# Altium PCB DB10005_BMS.PcbDoc (part 2 of 2)
Units mm, origin at the board's own origin, x right, y up, seen from the top; angles counter-clockwise.
Board outline 100 x 75 mm, 4 copper layers (L1, L2, L3, L4), stack 1.446 mm thick; 270 components, 190 nets, 878 pads, 0 vias.
Unrouted connection lines stored in the file: 462.
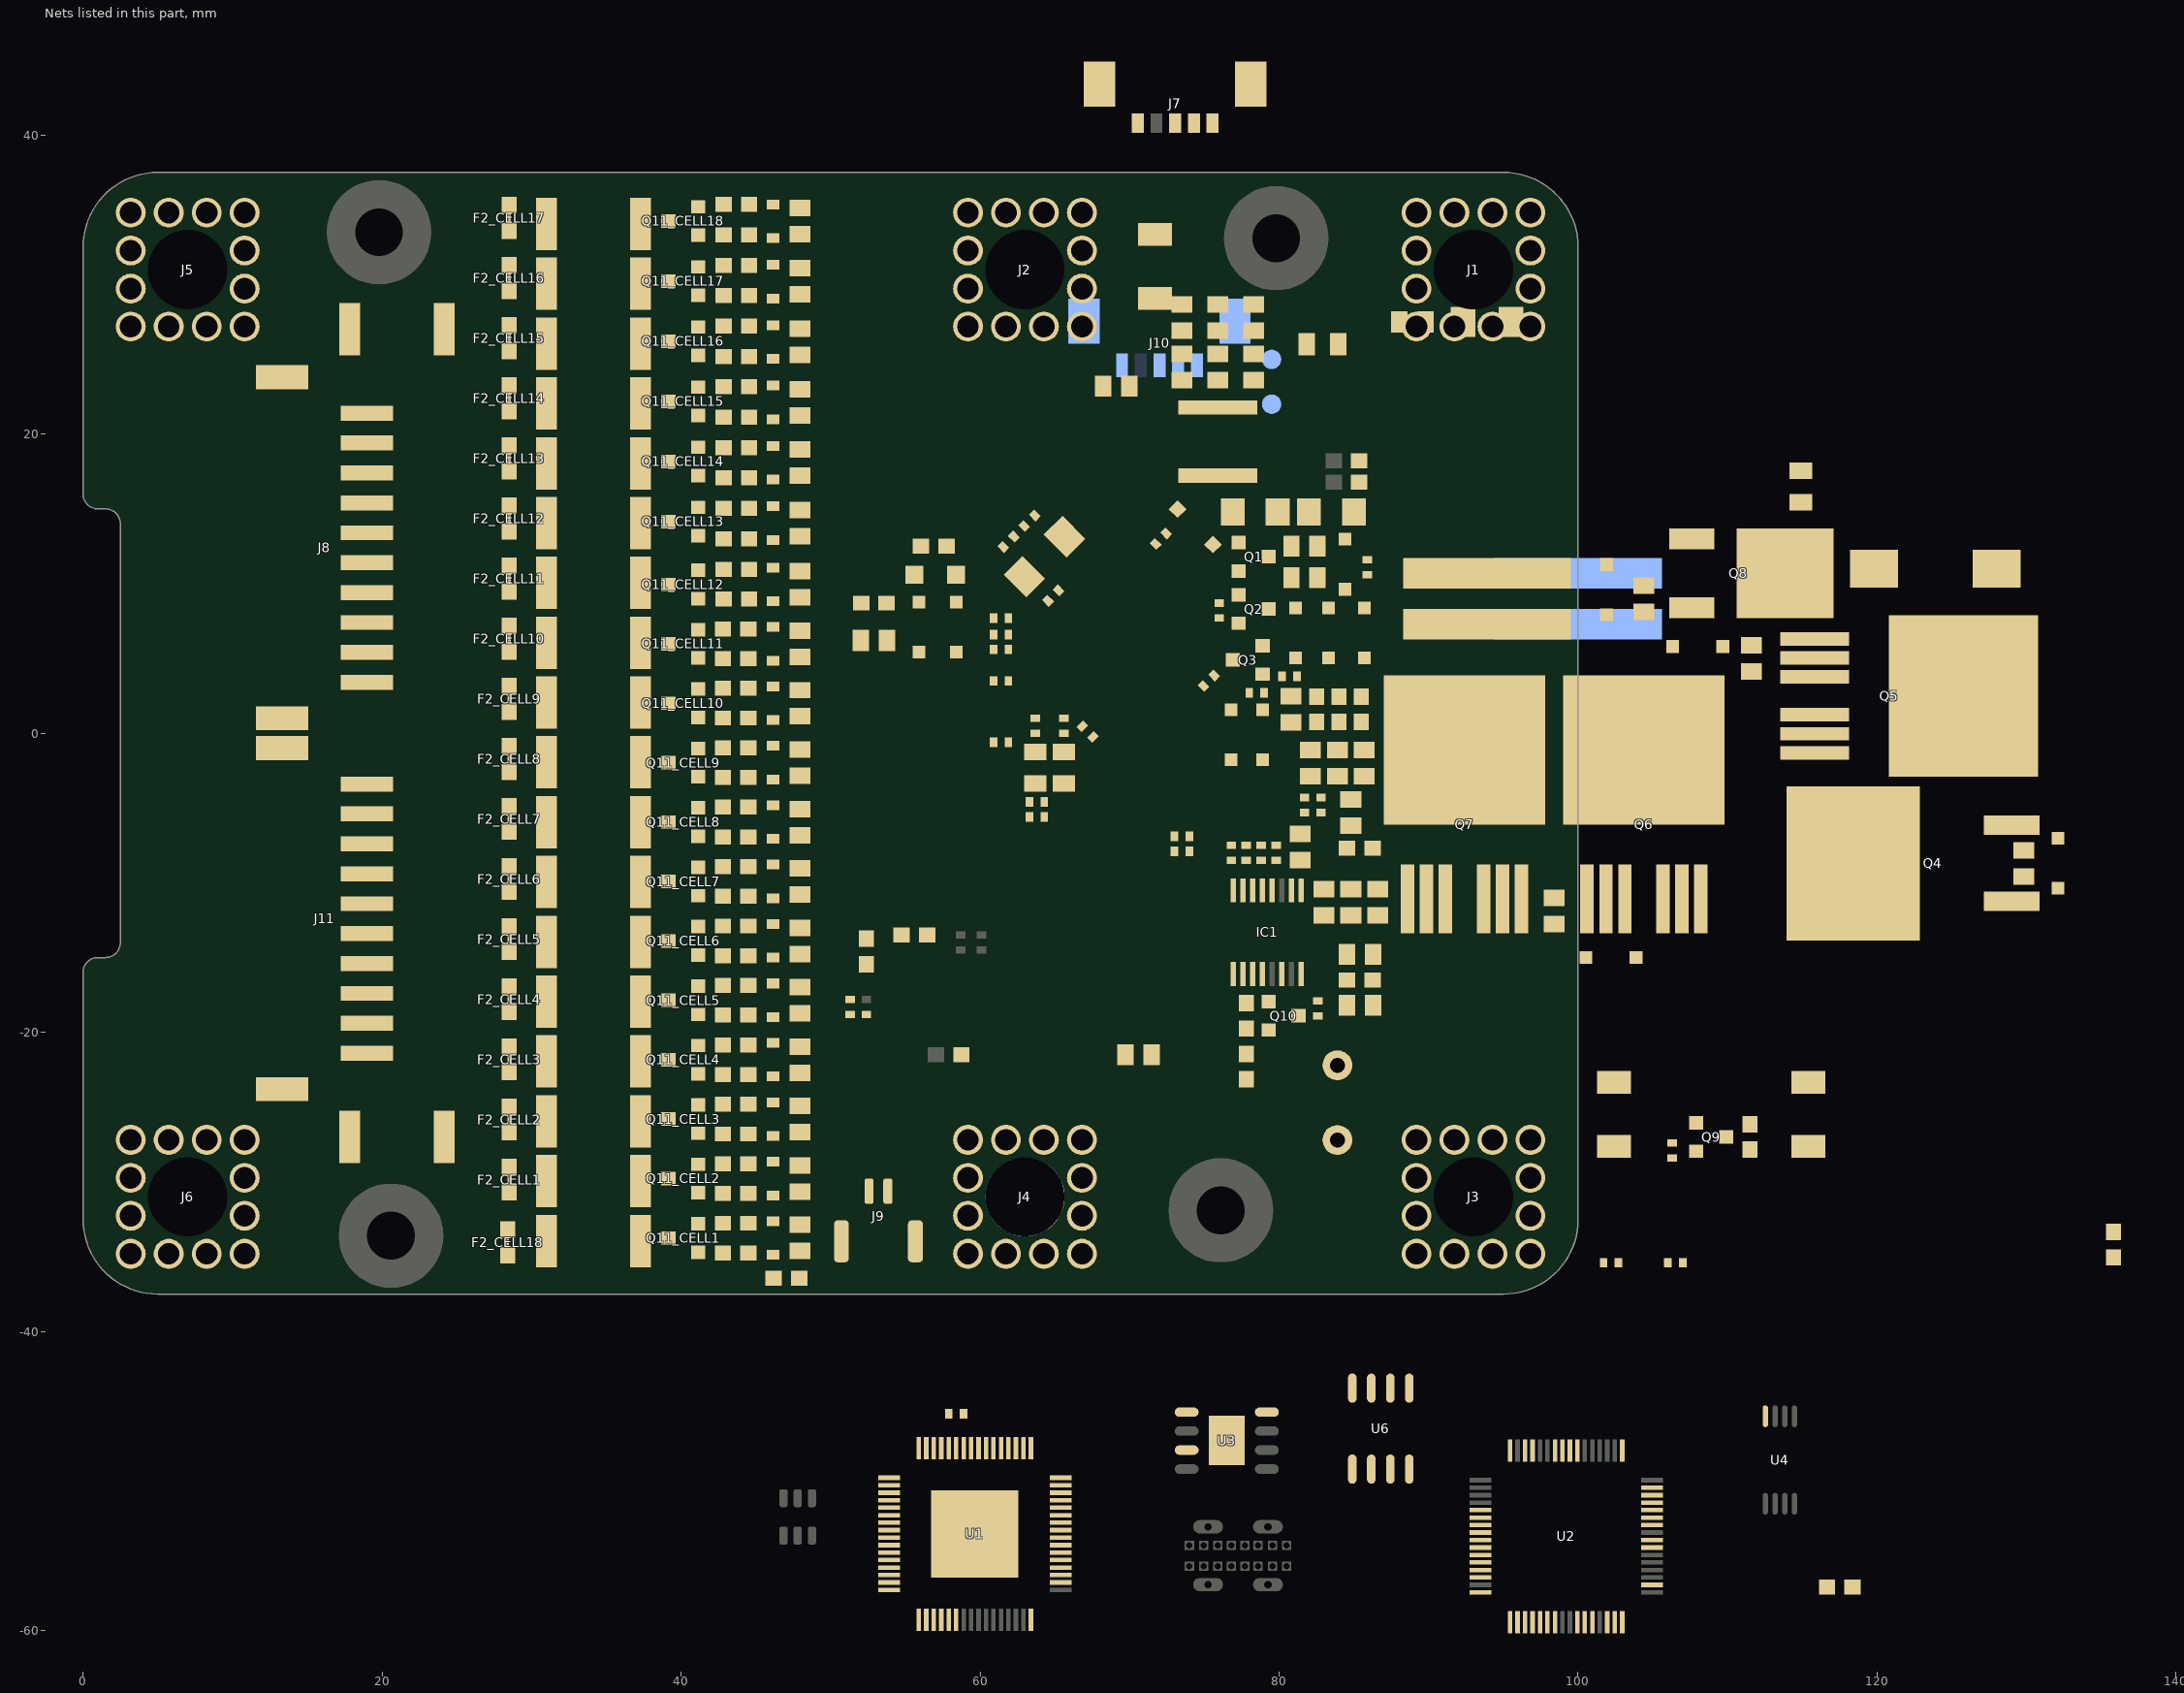
[diagram p4: the nets of this part, all layers, seen from the top]

## Part data (continued)
C17 C23: library part 2.2uF/0805/CER/50V, "Capacitor, 2.2uF, 50V,  X7R", Capacitance Tolerance="± 10%", Capacitor Case Style=0805, Dielectric Characteristic=X5R, Temperature Range="-55°C to +125°C", Voltage Rating=50V, Brand=MURATA, Brand Number=GRM219R61H225KE15D, Capacitance=2.2uF, Order Code Supplier=2611933, Price=0,113, Supplier=Farnell
C24 C25 C26: library part 10nF/0805/CER/100V, "Capacitor, 10nF, 100V, X7R", Capacitance Tolerance="± 10%", Capacitor Case Style=0805, Dielectric Characteristic=X7R, Temperature Range="-55°C to +125°C", Voltage Rating=100V, Brand=AVX, Brand Number=08051C103KAZ2A, Capacitance=10nF, Order Code Supplier=1301898, Price=0,131, Supplier=Farnell
C31 C32 C34: library part 2.2uF/0603/CER/16V, "Capacitor, 2.2uF, 16V, X5R", Capacitance Tolerance="+/- 10%", Capacitor Case Style=0603, Dielectric Characteristic=X5R, Temperature Range="-55°C to 85°C", Voltage Rating=16V, Brand=MURATA, Brand Number=GRM188R61C225KE15D, Capacitance=2.2uF, Order Code Supplier=1735526, Price=0,077, Supplier=Farnell
D1: library part BZT52H-C62,115, "Diode Zener, Vz: 62V, If: 0.25A, Vf: 0.9V", Case Style=SOD-123F, Forward Current=0.25A, Forward Voltage=0.9V, Temperature Range="-65°C to +150°C", Zener Voltage=62V, Brand=NXP, Brand Number=BZT52H-C62,115, Order Code Supplier=1757813RL, Price=0,053, Supplier=Farnell
D2 D3 D5 D6 D7 D8 D9: library part MMSD4148T1G, "Diode, Vrrm: 100V, If: 0.15A, Vf: 1V", Case Style=SOD-123, Forward Current=0.2A, Forward Voltage=1V, Temperature Range="-65°C to +150°C", Brand="ON SEMICONDUCTOR", Brand Number=MMSD4148T1G, Order Code Supplier=9556079, Price=0,19, Supplier=Farnell, Vrrm=100V
D4 D10 D12 D15 D16 D17: "Diode Zener, Vz: 16V, If: 0.1A, Vf: 0.9V", Case Style=SOD-123, Forward Current=0.1A, Forward Voltage=0.9V, Temperature Range="-65°C to +150°C", Zener Voltage=16V, Brand=Diodes, Brand Number=BZT52C16, Order Code Supplier=1902431, Price=0,087, Supplier=Farnell
D11 D13 D14: "Diode TVS, Vrwm: 70V, Vbr: 81.9V, Vc: 113V, Ippm: 27A", Breakdown Voltage=81.9V, Case Style=SMB, Clamping Voltage=113V, Temperature Range="-55°C to +150°C", Brand=STMICROELECTRONICS, Brand Number=SMBJ70A-TR, Ippm=27A, Order Code Supplier=9886389, Price=0,33, Supplier=Farnell, Vrwm=70V
D18 D19: library part KP-2012SGC, "Led, Green, Li:12mcd, Vf:2.2V, If:0.02A", Case Style=0805, Forward Current=0.02A, Forward Voltage=2.2V, Temperature Range="-30°C to +85°C", Brand=KingBright, Brand Number=KP-2012SGC, Luminous Intensity=12mcd, Order Code Supplier=1318243, Price=0,06, Supplier=Farnell
D20_CELL1 D20_CELL2 D20_CELL3 D20_CELL4 D20_CELL5 D20_CELL6 D20_CELL7 D20_CELL8 D20_CELL9 D20_CELL10 D20_CELL11 D20_CELL12 D20_CELL13 D20_CELL14 D20_CELL15 D20_CELL16 D20_CELL17 D20_CELL18: "Diode, Vrrm: 7.5V, If: 0.2A, Vf: 0.9V", Case Style=SOD-323, Forward Current=0.2A, Forward Voltage=0.9V, Temperature Range="-65°C to +150°C", Zener Voltage=7.5V, Brand=NXP, Brand Number=PDZ7.5B,115, Order Code Supplier=2319197, Price=0,263, Supplier=Farnell
F1: library part 0466.200NR, "Fuse, Slow Blow, 200 mA, 125 VAC, 125 VDC", Brand=LITTELFUSE, Brand Number=0466.200NR, Order Code Supplier=1596522, Prijs=0,347, Supplier=Farnell
F2_CELL1 F2_CELL2 F2_CELL3 F2_CELL4 F2_CELL5 F2_CELL6 F2_CELL7 F2_CELL8 F2_CELL9 F2_CELL10 F2_CELL11 F2_CELL12 F2_CELL13 F2_CELL14 F2_CELL15 F2_CELL16 F2_CELL17 F2_CELL18: library part PCBFuse_0_2MM, "Fuse, PCB, 1A, 60V, T:-40°C +85°C", Brand=-, Brand Number=-, Order Code Supplier=-, Price=0,00, Supplier=Farnell
IC1: "Battery protector, Lead Acid", Case Style=TSSOP16, Temperature Range="-55°C to +155°C", Brand="Texas Instruments", Brand Number=BQ76200PW, Order Code Supplier=2522565, Price=4,84, Supplier=Farnell
J1 J2 J3 J4 J5 J6: library part 7460408, "Bush with Circumference M5", Case Style=M5Bush, Brand=Wurth, Brand Number=7460408, Order Code Supplier=1821279, Price=4,17, Supplier=Farnell
J7: "PicoBlade 53398 Series, 5Pin, Right Angle", Brand=MOLEX, Brand Number=53398-0571, Case Style=53398-0571, Order Code Supplier=1125354, Pitch=1.25mm, Price=1,55, Supplier=Farnell
J8 J11: "Connector", Arrow Part Number=S10B-PH-SM4-TB(LF)(SN), Manufacturer_Name="JST (JAPAN SOLDERLESS TERMINALS)", Mouser Part Number=306-S10BPHSM4TBLFSN, Arrow Price/Stock=https://www.arrow.com/en/products/s10b-ph-sm4-tb-lf-sn/jst-manufacturing?region=nac, Datasheet Link=http://uk.rs-online.com/web/p/products/6881350, Manufacturer_Part_Number=S10B-PH-SM4-TB(LF)(SN), Mouser Price/Stock=https://www.mouser.co.uk/ProductDetail/JST-Commercial/S10B-PH-SM4-TBLFSN?qs=QpmGXVUTftH7ZRPAPdrNVw%3D%3D
J10: "PicoBlade 53261 Series, 5Pin, Right Angle", Brand=MOLEX, Brand Number=53261-0571, Case Style=53261-0571, Order Code Supplier=1125360, Pitch=1.25mm, Price=1,20, Supplier=Farnell
J12: "连接器类型:Type-C;标准:USB 3.1;公母:母;安装方式:直插;触点数量:16P;端口数量:1;额定电流 - 电源:5A;触头材质:-;触头镀层:-;工作温度范围:-40℃~+85℃;", Core Colour=黑色, Current Rating - Power (Max)=5A, LCSC Part Name="Type-C 母 直插", Manufacturer="SHOU HAN(首韩)", Operating Temperature Range=-40℃~+85℃, Rated Voltage (Max)=20V, Add into BOM=yes, Connect-Disconnect Life=1万次, Connector Type=Type-C, Contact Material=-, Contact Plating=-, Convert to PCB=yes, Datasheet=https://atta.szlcsc.com/upload/public/pdf/source/20240529/CC9428849977884A813B584EA396EFE9.pdf, Device="TYPE-C 16PLC-H10.0", Gender=母, Manufacturer Part="TYPE-C 16PLC-H10.0", Mounting Style=直插, Number of Contacts=16P, Number of Ports=1, Standard="USB 3.1", Supplier=LCSC, Supplier Footprint=插件, Supplier Part=C3151747, Symbol="TYPE-C 16PLC-H10.0"
L1: "Ferrite Bead, Impedance:33ohm, DC Resistance Max:0.025ohm, DC Current Rating:3A", Case Style=0603, Brand=MURATA, Brand Number=BLM18PG330SN1D, Order Code Supplier=1515742, Price=0,048, Supplier=Farnell
L2: library part 744043151, "150UH, 30%, 0.42A", Case Style="WE-TPC 4828", DC Current=0.42A, DC Resistance=0.770ohm, Inductance=150uH, Temperature Range="-40°C to +125°C", Brand=Wurth, Brand Number=744043151, Order Code Supplier=2082517, Price=1,36, Supplier=Farnell
Q1 Q2 Q3 Q9 Q10: "Mosfet, N-channel, Vds:100V, Id:0.15A, Vgs-th:2.8V, Rds-on:3.5ohm", Case Style=SOT-23, Drain Current=0.15A, Drain Source Voltage=100V, Gate Source Voltage=20V, On Resistance=3.5ohm, Temperature Range="-55°C to +150°C", Threshold Voltage=2.8V, Brand=NXP, Brand Number=BSS123, Order Code Supplier=1510764, Price=0,082, Supplier=Farnell, Transistor Polarity=N-channel
Q4: "Mosfet, P-channel, Vds:-55V, Id:-42A, Vgs-th:-4V, Rds-on:0.02ohm", Case Style=SOT-23, Drain Current=-42A, Drain Source Voltage=-55V, Gate Source Voltage=-10V, On Resistance=0.02ohm, Temperature Range="-55°C to +150°C", Threshold Voltage=-4V, Brand="Taiwan Semiconductor", Brand Number=IRF4905SPBF, Order Code Supplier=9103201, Price=1,55, Supplier=Farnell, Transistor Polarity=P-channel
Q5 Q6 Q7: "Mosfet, N-channel, Vds:60V, Id:338A, Vgs-th:3.7V, Rds-on:0.00115ohm", Case Style=TO-263, Drain Current=338A, Drain Source Voltage=60V, Gate Source Voltage=10V, On Resistance=0.00115ohm, Temperature Range="-55°C to +175°C", Threshold Voltage=3.7V, Brand="INTERNATIONAL RECTIFIER", Brand Number=IRFS7530-7PPBF, Order Code Supplier=2580027, Price=4,40, Supplier=Farnell, Transistor Polarity=N-Channel
Q8: library part IRFR6215TRPBF, "Mosfet, P-channel, Vds:150V, Id:13A, Vgs-th:4V, Rds-on:0.295ohm", Case Style=D-PAK, Drain Current=13A, Drain Source Voltage=150V, Gate Source Voltage=20V, On Resistance=0.295ohm, Temperature Range="-55°C to +175°C", Threshold Voltage=4, Brand="INTERNATIONAL RECTIFIER", Brand Number=IRFR6215PBF, Order Code Supplier=1839002, Price=0,94, Supplier=Farnell, Transistor Polarity=P-channel
Q11_CELL1 Q11_CELL2 Q11_CELL3 Q11_CELL4 Q11_CELL5 Q11_CELL6 Q11_CELL7 Q11_CELL8 Q11_CELL9 Q11_CELL10 Q11_CELL11 Q11_CELL12 Q11_CELL13 Q11_CELL14 Q11_CELL15 Q11_CELL16 Q11_CELL17 Q11_CELL18: "Mosfet, P-channel, Vds:20V, Id:4.7A, Vgs-th:1V, Rds-on:0.039ohm", Case Style=SOT-23, Drain Current=4.7A, Drain Source Voltage=20V, Gate Source Voltage=8V, On Resistance=0.039ohm, Temperature Range="-55°C to +150°C", Threshold Voltage=1V, Brand="Taiwan Semiconductor", Brand Number=TSM2323CX, Order Code Supplier=1864590, Price=0,195, Supplier=Farnell, Transistor Polarity=P-channel
R1 R35 R41 R58_CELL1 R58_CELL2 R58_CELL3 R58_CELL4 R58_CELL5 R58_CELL6 R58_CELL7 R58_CELL8 R58_CELL9 R58_CELL10 R58_CELL11 R58_CELL12 R58_CELL13 R58_CELL14 R58_CELL15 R58_CELL16 R58_CELL17 R58_CELL18: library part 100/0603/0063W/50V, "Resistor, 100R, 1%, 0.063W, 50V, 200PPM, 0603", Case Style=0603, Power Rating=0.063W, Temperature Coefficient="± 200PPM", Temperature Range="-55°C to +125°C", Voltage Rating=50V, Brand="VISHAY DRALORIC", Brand Number=CRCW0603100RFKEA, Order Code Supplier=2122239, Price=0,007, Resistance=100R, Supplier=Farnell
R2 R3 R7: library part 0/0603/0063W/50V, "Resistor, 0R, 0.1%, 0.063W, 50V, 200PPM, 0603", Case Style=0603, Power Rating=0.063W, Temperature Coefficient="± 200PPM", Temperature Range="-55°C to +125°C", Voltage Rating=50V, Brand="VISHAY DRALORIC", Brand Number=CRCW06030000Z0EA, Order Code Supplier=2122112, Price=0,043, Resistance=0R, Supplier=Farnell
R4 R20: library part 1M/0402/0063W/50V, "Resistor, 1M, 0.1%, 0.0625W, 50V, 100PPM, 0402", Case Style=0402, Power Rating=0.063W, Temperature Coefficient="± 100PPM", Temperature Range="-55°C to +125°C", Voltage Rating=50V, Brand="VISHAY DRALORIC", Brand Number=CRCW04021M00FKED, Order Code Supplier=2121984, Price=0,0006, Resistance=1M, Supplier=Farnell
R5 R6: library part 1M/0402/0063W/50V, "Resistor, 1M, 0.1%, 0.0625W, 50V, 100PPM, 0402", Case Style=0402, Power Rating=0.063W, Resistance=1M, Temperature Coefficient="± 100PPM", Temperature Range="-55°C to +125°C", Voltage Rating=50V, Brand="VISHAY DRALORIC", Brand Number=CRCW04021M00FKED, Order Code Supplier=2121984, Price=0,0006, Supplier=Farnell
R8 R17 R18 R21 R40 R42 R43 R44 R55: library part 10k/0402/0063W/50V, "Resistor, 10k, 0.1%, 0.0625W, 50V, 100PPM, 0402", Case Style=0402, Power Rating=0.063W, Temperature Coefficient="± 100PPM", Temperature Range="-55°C to +125°C", Voltage Rating=50V, Brand="VISHAY DRALORIC", Brand Number=CRCW040210K0FKED, Order Code Supplier=2121730, Price=0,0005, Resistance=10k, Supplier=Farnell
R9 R53: library part 1.5k/0402/0063W/50V, "Resistor, 1.5k, 0.1%, 0.0625W, 50V, 100PPM, 0402", Case Style=0402, Power Rating=0.063W, Temperature Coefficient="± 100PPM", Temperature Range="-55°C to +125°C", Voltage Rating=50V, Brand="VISHAY DRALORIC", Brand Number=CRCW04021K50FKED, Order Code Supplier=2121624, Price=0,0054, Resistance=1.5k, Supplier=Farnell
R10: library part 15/0805/0125W/150V, "Resistor, 15R, 0.1%, 0.125W, 150V, 15PPM, 0805", Case Style=0805, Power Rating=0.125W, Temperature Coefficient="± 15PPM", Temperature Range="-55°C to +155°C", Voltage Rating=150V, Brand=YAGEO, Brand Number=RC0805JR-0715RL, Order Code Supplier=9233784, Price=0,0161, Resistance=15R, Supplier=Farnell
R11 R14 R15: library part 1/0805/0250W/150V, "Resistor, 1R, 1%, 0.25W, 150V, 200PPM, 0805", Case Style=0805, Power Rating=0.25W, Temperature Coefficient="± 200PPM", Temperature Range="-55°C to +125°C", Voltage Rating=150V, Brand=PANASONIC, Brand Number=ERJ6BQF1R0V, Order Code Supplier=1717826, Price=0,28, Resistance=1R, Supplier=Farnell
R12 R13 R24 R25 R31 R34: library part 4.7M/0805/0250W/150V, "Resistor, 4.7M, 1%, 0.25W, 150V, 100PPM, 0805", Case Style=0805, Power Rating=0.25W, Temperature Coefficient="± 100PPM", Temperature Range="-55°C to +155°C", Voltage Rating=150V, Brand=MULTICOMP, Brand Number=MCHP05W4F4704T5E, Order Code Supplier=1576516, Price=0,089, Resistance=4.7M, Supplier=Farnell
R16: library part 130K/0603/0063W/50V, "Resistor, 130K, 1%, 0.063W, 50V, 100PPM, 0603", Case Style=0603, Power Rating=0.063W, Temperature Coefficient="± 100PPM", Temperature Range="-55°C to +125°C", Voltage Rating=50V, Brand="VISHAY DRALORIC", Brand Number=CRCW0603130KFKEA, Order Code Supplier=2122632, Price=0,017, Resistance=130K, Supplier=Farnell
R19 R37 R38 R39: library part 100/0805/0250W/150V, "Resistor, 100R, 1%, 0.25W, 150V, 100PPM, 0805", Case Style=0805, Power Rating=0.25W, Temperature Coefficient="± 100PPM", Temperature Range="-55°C to +155°C", Voltage Rating=150V, Brand=MULTICOMP, Brand Number=MCHP05W4F1000T5E, Order Code Supplier=1576445, Price=0,089, Resistance=100R, Supplier=Farnell
R22 R23: library part FCSL110R001JER, "1mohm, 5 W, ± 5%, 4320 Wide", Brand=Ohmite, Brand Number=FCSL110R001JER, Order Code Supplier=2420535, Price=3,81, Supplier=Farnell
R26 R27 R28: library part 10/0603/0063W/50V, "Resistor, 10R, 1%, 0.063W, 50V, 200PPM, 0603", Case Style=0603, Power Rating=0.063W, Temperature Coefficient="± 200PPM", Temperature Range="-55°C to +125°C", Voltage Rating=50V, Brand="VISHAY DRALORIC", Brand Number=CRCW060310R0FKEA, Order Code Supplier=2122113, Price=0,038, Resistance=10R, Supplier=Farnell
R32: library part 18, "Resistor Wirewound, 18R, 5%, 3W, 500V, 200PPM, SMW", Case Style=SMW, Power Rating=3W, Temperature Coefficient="± 200PPM", Temperature Range="-55°C to +200°C", Voltage Rating=500V, Brand="TE CONNECTIVITY / CGS", Brand Number=SMW318RJT, Order Code Supplier=1086385, Price=0,80, Resistance=18R, Supplier=Farnell
R33 R45: library part 33K/0603/0063W/50V, "Resistor, 33K, 1%, 0.063W, 50V, 100PPM, 0603", Case Style=0603, Power Rating=0.063W, Temperature Coefficient="± 100PPM", Temperature Range="-55°C to +125°C", Voltage Rating=50V, Brand="VISHAY DRALORIC", Brand Number=CRCW060333K0FKEA, Order Code Supplier=2122555, Price=0,038, Resistance=33K, Supplier=Farnell
R36: library part 4.75k/0402/0063W/50V, "Resistor, 4.75k, 0.1%, 0.0625W, 50V, 100PPM, 0402", Case Style=0402, Power Rating=0.063W, Temperature Coefficient="± 100PPM", Temperature Range="-55°C to +125°C", Voltage Rating=50V, Brand="VISHAY DRALORIC", Brand Number=CRCW04024K75FKED, Order Code Supplier=2121689, Price=0,0006, Resistance=4.75k, Supplier=Farnell
R46: library part 2.2K/0603/0063W/50V, "Resistor, 2.2K, 1%, 0.063W, 50V, 100PPM, 0603", Case Style=0603, Power Rating=0.063W, Temperature Coefficient="± 100PPM", Temperature Range="-55°C to +125°C", Voltage Rating=50V, Brand="VISHAY DRALORIC", Brand Number=CRCW06032K20FKEA, Order Code Supplier=2122405, Price=0,038, Resistance=2.2K, Supplier=Farnell
R47 R48: "THERMISTOR, NTC, 100K, 5%", Case Style=0805, Brand=VISHAY, Brand Number=NTCS0805E4104JMT, Order Code Supplier=1187095, Price=0,65, Supplier=Farnell
R49 R50 R60_CELL1 R60_CELL2 R60_CELL3 R60_CELL4 R60_CELL5 R60_CELL6 R60_CELL7 R60_CELL8 R60_CELL9 R60_CELL10 R60_CELL11 R60_CELL12 R60_CELL13 R60_CELL14 R60_CELL15 R60_CELL16 R60_CELL17 R60_CELL18: library part 15/2512/2W/250V, "Resistor, 15R, 1%, 2W, 200V, 200PPM, 2512", Case Style=2512, Power Rating=2W, Temperature Coefficient="± 200PPM", Temperature Range="-55°C to +125°C", Voltage Rating=250V, Brand="TE CONNECTIVITY / CGS", Brand Number=352115RFT, Order Code Supplier=2117454, Price=0,30, Resistance=15R, Supplier=Farnell
R51 R52: library part 470/0402/0063W/50V, "Resistor, 470, 1%, 0.0625W, 50V, 100PPM, 0402", Case Style=0402, Power Rating=0.063W, Temperature Coefficient="± 100PPM", Temperature Range="-55°C to +125°C", Voltage Rating=50V, Brand="VISHAY DRALORIC", Brand Number=CRG0402F470R, Order Code Supplier=2331533, Price=0,0099, Resistance=470, Supplier=Farnell
R54: library part 0/0805/0100W/150V, "Resistor, 0R, 0.1%, 0.1W, 150V, 200PPM, 0805", Case Style=0805, Power Rating=0.1W, Resistance=0R, Temperature Coefficient="± 200PPM", Temperature Range="-55°C to +125°C", Voltage Rating=150V, Brand=MULTICOMP, Brand Number="MC 0.1W 0805 0R", Order Code Supplier=9333681, Price=0,038, Supplier=Farnell
R56 R57: library part 240/0402/0063W/50V, "Resistor, 240, 0.1%, 0.0625W, 50V, 100PPM, 0402", Case Style=0402, Power Rating=0.063W, Temperature Coefficient="± 100PPM", Temperature Range="-55°C to +125°C", Voltage Rating=50V, Brand="VISHAY DRALORIC", Brand Number=CRCW0402240RFKED, Order Code Supplier=2121522, Price=0,0006, Resistance=240, Supplier=Farnell
R59_CELL1 R59_CELL2 R59_CELL3 R59_CELL4 R59_CELL5 R59_CELL6 R59_CELL7 R59_CELL8 R59_CELL9 R59_CELL10 R59_CELL11 R59_CELL12 R59_CELL13 R59_CELL14 R59_CELL15 R59_CELL16 R59_CELL17 R59_CELL18: library part 3.3K/0603/0125W/50V, "Resistor, 3.3K, 1%, 0.125W, 50V, 100PPM, 0603", Case Style=0603, Power Rating=0.125W, Temperature Coefficient="± 100PPM", Temperature Range="-55°C to +155°C", Voltage Rating=50V, Brand=MULTICOMP, Brand Number=MCHP03W8F3301T5E, Order Code Supplier=1576291, Price=0,08, Resistance=3.3K, Supplier=Farnell
TP1 TP2: library part TESTPT4, "1.3mm"
U1: "Integrated Circuit", Manufacturer_Name="Analog Devices", Mouser Part Number=584-6813HLWE13ZZPBF, Arrow Part Number=LTC6813HLWE-1#3ZZPBF, Arrow Price/Stock=https://www.arrow.com/en/products/ltc6813hlwe-13zzpbf/linear-technology, Datasheet Link=https://www.analog.com/media/en/technical-documentation/data-sheets/LTC6813-1.pdf, Height=1.6mm, Manufacturer_Part_Number=LTC6813HLWE-1#3ZZPBF, Mouser Price/Stock=https://www.mouser.co.uk/ProductDetail/Analog-Devices-Linear-Technology/LTC6813HLWE-13ZZPBF?qs=lYGu3FyN48e3Qu9IYnRGuQ%3D%3D
U2: "Integrated Circuit", Manufacturer_Name=STMicroelectronics, Mouser Part Number=511-STM32L476RCT6, Arrow Part Number=STM32L476RCT6, Arrow Price/Stock=https://www.arrow.com/en/products/stm32l476rct6/stmicroelectronics?region=nac, Datasheet Link=https://www.st.com/resource/en/datasheet/stm32l476rc.pdf, Height=1.6mm, Manufacturer_Part_Number=STM32L476RCT6, Mouser Price/Stock=https://www.mouser.co.uk/ProductDetail/STMicroelectronics/STM32L476RCT6?qs=kWQV1gtkNnc7gr%2FH8RnQ7w%3D%3D
U3: Input Voltage=10V~120V, JLCPCB Part Class="Extended Part", LCSC Part Name=高性价比宽电压降压DCDC电源芯片, Manufacturer=EG(屹晶微), Manufacturer Part=EG1198, Operating Temperature=-45℃~+125℃, Output Current=1.5A, Output Voltage=-, Switching Frequency=120kHz, Add into BOM=yes, Convert to PCB=yes, Datasheet=https://atta.szlcsc.com/upload/public/pdf/source/20211208/030CAF1F902F9A81F24E8BE238D4FEDC.pdf, Device=EG1192, Function=降压型, Number of Outputs=1, Output Type=-, Quiescent Current (Iq)=-, Supplier=LCSC, Supplier Footprint=ESOP-8, Supplier Part=C2987436, Switch tube (built-in/external)=内置, Symbol=EG1192, Synchronous Rectification=-, Topology=降压式
U5: library part AI-1027-TWT-5V-2-R, "EM 5VDC 2300Hz 82dBA Continuous Top Fire", Brand="PUI Audio", Brand Number=AI-1027-TWT-5V-2-R, Case Style=AI-1027-TWT-5V-2-R, Order Code Supplier=665-AI1027TWT5V2R, Price=1,73, Supplier=Mouser
U7: "Integrated Circuit", Manufacturer_Name=STMicroelectronics, Mouser Part Number=511-USBLC6-2SC6, Arrow Part Number=USBLC6-2SC6, Arrow Price/Stock=https://www.arrow.com/en/products/usblc6-2sc6/stmicroelectronics?utm_currency=USD&region=europe, Datasheet Link=http://www.st.com/st-web-ui/static/active/en/resource/technical/document/datasheet/CD00050750.pdf, Height=1.45mm, Manufacturer_Part_Number=USBLC6-2SC6, Mouser Price/Stock=https://www.mouser.co.uk/ProductDetail/STMicroelectronics/USBLC6-2SC6?qs=po45yt2pPpu%2FhNIlwQdTlg%3D%3D
X1: library part ABM3-8.000MHZ-D2Y-T, "8MHZ, 18PF, 5 X 3.2MM", Brand=ABRACON, Brand Number=ABM3-8.000MHZ-D2Y-T, Order Code Supplier=2101329, Price=0,90, Supplier=Farnell

## Free pads (board coordinates)
  round 7 hole 3.2: 0(19.8,33.5) 0(20.6,-33.6) 0(76.1,-31.9) 0(79.8,33.1)

## Nets (pads, with @x,y where several pads share a name; then routed paths per layer and width w, separated by ;. In a path a pad name is that pad's centre, name@x,y a point inside that pad or via, vN(x,y) a via of type N, cw(c..) or ccw(c..) an arc to the next point about the centre after c; other vN are vias at no path point)
3V3: C7.2 C8.2 C9.2 C10.2 C16.2 C18.2 C19.2 C28.2 C29.2 C30.2 D6.1 D7.1 J7.3 J10.1 R8.2 R9.2 R11.1 TP2.1 U2.13 U2.19 U2.32 U2.64 U5.P U6.3 U6.5
B+: F1.2 J1.1
BATT+: D11.2 J2.1 R22.0 R23.0 R26.2 R27.2
BUZZER: Q10.G R53.1 U2.17
C1: C35_CELL1.2 D20_CELL1.2 D20_CELL2.1 R58_CELL1.2 U1.36
C2: C35_CELL2.2 D20_CELL2.2 D20_CELL3.1 R58_CELL2.2 U1.34
C3: C35_CELL3.2 D20_CELL3.2 D20_CELL4.1 R58_CELL3.2 U1.32
C4: C35_CELL4.2 D20_CELL4.2 D20_CELL5.1 R58_CELL4.2 U1.30
C5: C35_CELL5.2 D20_CELL5.2 D20_CELL6.1 R58_CELL5.2 U1.28
C6: C35_CELL6.2 D20_CELL6.2 D20_CELL7.1 R58_CELL6.2 U1.26
C7: C35_CELL7.2 D20_CELL7.2 D20_CELL8.1 R58_CELL7.2 U1.24
C8: C35_CELL8.2 D20_CELL8.2 D20_CELL9.1 R58_CELL8.2 U1.22
C9: C35_CELL9.2 D20_CELL9.2 D20_CELL10.1 R58_CELL9.2 U1.20
C10: C35_CELL10.2 D20_CELL10.2 D20_CELL11.1 R58_CELL10.2 U1.18
C11: C35_CELL11.2 D20_CELL11.2 D20_CELL12.1 R58_CELL11.2 U1.16
C12: C35_CELL12.2 D20_CELL12.2 D20_CELL13.1 R58_CELL12.2 U1.14
C13: C35_CELL13.2 D20_CELL13.2 D20_CELL14.1 R58_CELL13.2 U1.12
C14: C35_CELL14.2 D20_CELL14.2 D20_CELL15.1 R58_CELL14.2 U1.10
C15: C35_CELL15.2 D20_CELL15.2 D20_CELL16.1 R58_CELL15.2 U1.8
C16: C35_CELL16.2 D20_CELL16.2 D20_CELL17.1 R58_CELL16.2 U1.6
C17: C35_CELL17.2 D20_CELL17.2 D20_CELL18.1 R58_CELL17.2 U1.4
C18: C35_CELL18.2 D20_CELL18.2 R58_CELL18.2 U1.2
CAN_RX: U2.61 U6.4
CAN_TX: U2.62 U6.1
CANH: J9.2 R54.2 U6.7
CANL: J9.1 R54.1 U6.6
CHARGEENABLE: R40.1 U2.26
CHARGEIN: D13.2 J3.1 Q4.D
CM1: D20_CELL1.1 R7.2
CN1: J11.10 R3.2 R60_CELL1.1
CN2: F2_CELL1.1 J11.9 Q11_CELL1.S R58_CELL1.1 R60_CELL2.1
CN3: F2_CELL2.1 J11.8 Q11_CELL2.S R58_CELL2.1 R60_CELL3.1
CN4: F2_CELL3.1 J11.7 Q11_CELL3.S R58_CELL3.1 R60_CELL4.1
CN5: F2_CELL4.1 J11.6 Q11_CELL4.S R58_CELL4.1 R60_CELL5.1
CN6: F2_CELL5.1 J11.5 Q11_CELL5.S R58_CELL5.1 R60_CELL6.1
CN7: F2_CELL6.1 J11.4 Q11_CELL6.S R58_CELL6.1 R60_CELL7.1
CN8: F2_CELL7.1 J11.3 Q11_CELL7.S R58_CELL7.1 R60_CELL8.1
CN9: F2_CELL8.1 J11.2 Q11_CELL8.S R58_CELL8.1 R60_CELL9.1
CN10: F2_CELL9.1 J8.10 J11.1 Q11_CELL9.S R58_CELL9.1 R60_CELL10.1
CN11: F2_CELL10.1 J8.9 Q11_CELL10.S R58_CELL10.1 R60_CELL11.1
CN12: F2_CELL11.1 J8.8 Q11_CELL11.S R58_CELL11.1 R60_CELL12.1
CN13: F2_CELL12.1 J8.7 Q11_CELL12.S R58_CELL12.1 R60_CELL13.1
CN14: F2_CELL13.1 J8.6 Q11_CELL13.S R58_CELL13.1 R60_CELL14.1
CN15: F2_CELL14.1 J8.5 Q11_CELL14.S R58_CELL14.1 R60_CELL15.1
CN16: F2_CELL15.1 J8.4 Q11_CELL15.S R58_CELL15.1 R60_CELL16.1
CN17: F2_CELL16.1 J8.3 Q11_CELL16.S R58_CELL16.1 R60_CELL17.1
CN18: F2_CELL17.1 J8.2 Q11_CELL17.S R58_CELL17.1 R60_CELL18.1
CP18: F2_CELL18.1 J8.1 Q11_CELL18.S R58_CELL18.1
DISCHARGEENABLE: R43.1 U2.28
GND: C1.1 C2.2 C3.2 C4.1 C5.1 C6.1 C7.1 C8.1 C9.1 C10.1 C11.1 C12.1 C13.1 C14.1 C15.1 C16.1 C18.1 C19.1 C20.1 C21.1 C22.1 C24.1 C25.1 C26.1 C27.1 C28.1 C29.1 C30.1 C31.1 C32.1 C33.1 C34.1 C35_CELL1.1 C35_CELL2.1 C35_CELL3.1 C35_CELL4.1 C35_CELL5.1 C35_CELL6.1 C35_CELL7.1 C35_CELL8.1 C35_CELL9.1 C35_CELL10.1 C35_CELL11.1 C35_CELL12.1 C35_CELL13.1 C35_CELL14.1 C35_CELL15.1 C35_CELL16.1 C35_CELL17.1 C35_CELL18.1 D1.1 D2.1 D3.1 D4.1 D10.1 D11.1 D13.1 D14.1 D18.K D19.K IC1.9 J7.0 J7.1 J7.5 J8.11 J8.12 J9.3 J9.4 J10.0 J10.5 J11.11 J11.12 Q1.S Q2.S Q3.S Q9.S Q10.S R2.1 R3.1 R5.1 R7.1 R16.1 R21.2 R36.1 R46.1 R47.1 R48.1 R49.2 R50.2 R53.2 U1.38 U1.55 U1.59 U1.60 U1.65 U2.12 U2.18 U2.31 U2.47 U6.2
GND_PACK: J5.1 J6.1 R49.1 R50.1
LED0: R52.2 U2.42
LED1: R51.2 U2.43
LOADOUT: D14.2 D16.1 J4.1 Q6.S Q7.S R31.2 R32.2 R41.2
MISO: R9.1 U1.53 U2.14 U2.22
MOSI: U1.54 U2.23
NetC1_2: C1.2 R1.2 U1.1
NetC2_1: C2.1 U1.51
NetC3_1: C3.1 U1.50
NetC5_2: C5.2 U2.6 X1.1
NetC6_2: C6.2 U2.5 X1.2
NetC11_2: C11.2 C12.2 R10.1 R12.2 R13.1 U3.1
NetC14_2: C14.2 R14.1
NetC15_2: C15.2 R15.1
NetC17_1: C17.1 D10.2 Q3.G R17.2 R19.1 R20.2 TP1.1
NetC17_2: C17.2 D8.2 R20.1
NetC20_2: C20.2 R27.1
NetC21_2: C21.2 R28.1
NetC22_2: C22.2 R26.1
NetC23_1: C23.1 C24.2 C25.2 IC1.2 R35.1
NetC23_2: C23.2 IC1.1
NetC26_2: C26.2 IC1.11 R41.1
NetC27_2: C27.2 R45.2 R46.2 U2.11
NetC33_2: C33.2 C34.2
NetD1_2: D1.2 D2.2 D3.2 L1.2 R1.1
NetD4_2: D4.2 D5.1 D8.1 D9.1 Q1.G Q2.D R12.1
NetD5_2: D5.2
NetD6_2: D6.2 R18.2
NetD7_2: D7.2 R17.1
NetD9_2: D9.2 R18.1
NetD12_2: D12.2 Q5.G R24.2 R38.2
NetD15_1: D15.1 Q4.G R25.2 R33.2
NetD15_2: D15.2 Q4.S Q5.D R25.1
NetD16_2: D16.2 Q6.G Q7.G R31.1 R39.2
NetD17_1: D17.1 Q8.G R34.2 R37.2
NetD18_A: D18.A R51.1
NetD19_A: D19.A R52.1
NetF1_1: F1.1 L1.1 R10.2
NetIC1_4: IC1.4 R40.2
NetIC1_5: IC1.5 R42.2
NetIC1_6: IC1.6 R43.2
NetIC1_7: IC1.7 U2.30
NetIC1_8: IC1.8 R44.2
NetIC1_10: IC1.10 R45.1
NetIC1_12: IC1.12 R39.1
NetIC1_14: IC1.14 R37.1
NetIC1_16: IC1.16 R38.1
NetL2_1: L2.1 U3.9
NetL2_2: L2.2 R11.2 R14.2 R15.2 U3.8
NetQ1_D: Q1.D R13.2 U3.3
NetQ2_G: Q2.G R21.1
NetQ3_D: Q3.D
NetQ8_D: Q8.D R32.1
NetQ9_D: Q9.D R33.1
NetQ9_G: Q9.G R36.2
NetQ10_D: Q10.D U5.N
NetQ11_CELL1_D: Q11_CELL1.D R60_CELL1.2
NetQ11_CELL1_G: Q11_CELL1.G R59_CELL1.1
NetQ11_CELL2_D: Q11_CELL2.D R60_CELL2.2
NetQ11_CELL2_G: Q11_CELL2.G R59_CELL2.1
NetQ11_CELL3_D: Q11_CELL3.D R60_CELL3.2
NetQ11_CELL3_G: Q11_CELL3.G R59_CELL3.1
NetQ11_CELL4_D: Q11_CELL4.D R60_CELL4.2
NetQ11_CELL4_G: Q11_CELL4.G R59_CELL4.1
NetQ11_CELL5_D: Q11_CELL5.D R60_CELL5.2
NetQ11_CELL5_G: Q11_CELL5.G R59_CELL5.1
NetQ11_CELL6_D: Q11_CELL6.D R60_CELL6.2
NetQ11_CELL6_G: Q11_CELL6.G R59_CELL6.1
NetQ11_CELL7_D: Q11_CELL7.D R60_CELL7.2
NetQ11_CELL7_G: Q11_CELL7.G R59_CELL7.1
NetQ11_CELL8_D: Q11_CELL8.D R60_CELL8.2
NetQ11_CELL8_G: Q11_CELL8.G R59_CELL8.1
NetQ11_CELL9_D: Q11_CELL9.D R60_CELL9.2
NetQ11_CELL9_G: Q11_CELL9.G R59_CELL9.1
NetQ11_CELL10_D: Q11_CELL10.D R60_CELL10.2
NetQ11_CELL10_G: Q11_CELL10.G R59_CELL10.1
NetQ11_CELL11_D: Q11_CELL11.D R60_CELL11.2
NetQ11_CELL11_G: Q11_CELL11.G R59_CELL11.1
NetQ11_CELL12_D: Q11_CELL12.D R60_CELL12.2
NetQ11_CELL12_G: Q11_CELL12.G R59_CELL12.1
NetQ11_CELL13_D: Q11_CELL13.D R60_CELL13.2
NetQ11_CELL13_G: Q11_CELL13.G R59_CELL13.1
NetQ11_CELL14_D: Q11_CELL14.D R60_CELL14.2
NetQ11_CELL14_G: Q11_CELL14.G R59_CELL14.1
NetQ11_CELL15_D: Q11_CELL15.D R60_CELL15.2
NetQ11_CELL15_G: Q11_CELL15.G R59_CELL15.1
NetQ11_CELL16_D: Q11_CELL16.D R60_CELL16.2
NetQ11_CELL16_G: Q11_CELL16.G R59_CELL16.1
NetQ11_CELL17_D: Q11_CELL17.D R60_CELL17.2
NetQ11_CELL17_G: Q11_CELL17.G R59_CELL17.1
NetQ11_CELL18_D: Q11_CELL18.D R60_CELL18.2
NetQ11_CELL18_G: Q11_CELL18.G R59_CELL18.1
NetR2_2: R2.2 U1.52
NetR4_2: R4.2 U1.56
NetR5_2: R5.2 U1.57 U1.58
NetR6_1: R6.1 U1.63
NetR6_2: R6.2 U1.64
NetR47_2: R47.2
NetR48_2: R48.2
NetU2_8: U2.8
NetU2_9: U2.9
NetU2_10: U2.10 U4.8
NetU2_16: U2.16
NetU2_34: U2.34
NetU2_39: U2.39
NetU2_40: U2.40
NetU2_56: U2.56 U6.8
NetU2_57: U2.57
NetU2_58: U2.58
PRECHARGEENABLE: R44.1 U2.55
PUSHBUTTON: J7.2 R19.2
R\S\T\: C4.2 R8.1 U2.7
S1: R59_CELL1.2 U1.37
S2: R59_CELL2.2 U1.35
S3: R59_CELL3.2 U1.33
S4: R59_CELL4.2 U1.31
S5: R59_CELL5.2 U1.29
S6: R59_CELL6.2 U1.27
S7: R59_CELL7.2 U1.25
S8: R59_CELL8.2 U1.23
S9: R59_CELL9.2 U1.21
S10: R59_CELL10.2 U1.19
S11: R59_CELL11.2 U1.17
S12: R59_CELL12.2 U1.15
S13: R59_CELL13.2 U1.13
S14: R59_CELL14.2 U1.11
S15: R59_CELL15.2 U1.9
S16: R59_CELL16.2 U1.7
S17: R59_CELL17.2 U1.5
S18: R59_CELL18.2 U1.3
S\S\: U1.61 U2.20
SCK: U1.62 U2.21
SWCLK: J10.4 U2.49
SWDIO: J10.3 U2.46
SWITCHENABLE: R42.1 U2.27
USB_DM: U2.44
USB_DP: U2.45
VBATTSENSED: D12.1 D17.2 Q5.S Q6.D Q7.D Q8.S R22.1 R23.1 R24.1 R28.2 R34.1 R35.2
VDD_CP: C31.2 R55.2
VREG: R4.1 U1.48
pads on no net: C13.2 C32.2 IC1.3 IC1.13 IC1.15 J7.4 J10.2 J12.A1 J12.A2 J12.A4 J12.A5 J12.A6 J12.A7 J12.A8 J12.A9 J12.A10 J12.A12 J12.B1 J12.B2 J12.B4 J12.B5 J12.B6 J12.B7 J12.B8 J12.B9 J12.B10 J12.B12 R16.2 R55.1 R56.1 R56.2 R57.1 R57.2 U1.39 U1.40 U1.41 U1.42 U1.43 U1.44 U1.45 U1.46 U1.47 U1.49 U2.1 U2.2 U2.3 U2.4 U2.15 U2.24 U2.25 U2.29 U2.33 U2.35 U2.36 U2.37 U2.38 U2.41 U2.48 U2.50 U2.51 U2.52 U2.53 U2.54 U2.59 U2.60 U2.63 U3.2 U3.4 U3.5 U3.6 U3.7 U4.1 U4.2 U4.3 U4.4 U4.5 U4.6 U4.7 U7.1 U7.2 U7.3 U7.4 U7.5 U7.6

## Polygon pours and split planes (outlines as drawn)
CHARGEIN on L1 "CHARGE_L1" (solid, remove dead copper, pour order 83): 129.4,-26 129.9,-25.5 129.9,-13.5 129.4,-13 124.9,-13 124.4,-12.5 124.4,-4 123.9,-3.5 114.4,-3.5 113.9,-4 113.9,-25.5 114.4,-26
VBATTSENSED on L1 "L1-No Net" (solid, pour order 81): 87.4,-7.1 86.9,-6.6 86.9,4 87.9,5 87.9,8.5 99.4,8.5 105.4,8.5 105.4,7 105.9,6.5 108.4,6.5 119.9,6.5 120.4,6 120.4,-2.5 119.9,-3 111.4,-3 110.4,-4 110.4,-6.5 109.8,-7.1
LOADOUT on L1 "L1-No Net" (solid, pour order 79): 88.4,-26 87.9,-25.5 87.9,-15.5 87.9,-8 88.4,-7.5 109.4,-7.5 109.9,-8 109.9,-15 109.4,-15.5 106.9,-15.5 104.4,-18 104.4,-25.5 103.9,-26
GND_PACK on L1 "GND_PACK" (solid, remove dead copper, pour order 84): 19,-37.5 19,-25 18,-24 16,-22 16,22 18,24 19,25 19,37.5 0,37.5 0,-37.5
GND on L1 "GND" (solid, remove dead copper, pour order 82): 23,30 23,25 23.5,24.5 26,24.5 26.5,25 26.5,30
GND on L1 "GND" (solid, remove dead copper, pour order 85): 23,-30 23,-25 23.5,-24.5 26,-24.5 26.5,-25 26.5,-30
NetD15_2 on L1 "L1-NETD7_2" (solid, pour order 87): 125.4,-8 125.4,-2.9 121,-2.9 121,8 121.5,8.5 130.9,8.5 131.4,8 131.4,-8.5 125.9,-8.5
no net on L4 "L1-No Net" (solid, pour order 92): 82.5,-30 82.5,-25 81.5,-24 81.5,-17 80.5,-16 68.5,-16 67.5,-17 67.5,-30
VBATTSENSED on L4 "L1-No Net" (solid, pour order 90): 94,-7.1 93.5,-6.6 93.5,7.4 94.3,8.2 126,8.2 126.5,7.7 126.5,-2.5 126,-3 117,-3 116.5,-3.5 116.5,-6.6 116,-7.1
CHARGEIN on L4 "CHARGE_L4" (solid, remove dead copper, pour order 89): 98.1,-36.4 98.6,-35.9 98.6,-23.9 98.1,-23.4 93.6,-23.4 93.1,-22.9 93.1,-14.4 92.6,-13.9 83.1,-13.9 82.6,-14.4 82.6,-35.9 83.1,-36.4
LOADOUT on L4 "L1-No Net" (solid, pour order 78): 53.4,-36.75 52.9,-36.25 52.9,-26.25 52.9,-18.75 53.4,-18.25 74.4,-18.25 74.9,-18.75 74.9,-25.75 74.4,-26.25 71.9,-26.25 69.4,-28.75 69.4,-36.25 68.9,-36.75
GND_PACK on L4 "GND_PACK" (solid, remove dead copper, pour order 91): 19,-30 19,-25 18,-24 16,-22 16,22 18,24 19,25 19,30 0,30 0,-30
NetD15_2 on L4 "L1-No Net" (solid, pour order 80): 131.5,-8 131.5,-2.9 127.1,-2.9 127.1,8 127.6,8.5 137,8.5 137.5,8 137.5,-8.5 132,-8.5
GND on L2 "GND" (solid, remove dead copper, pour order 97): 83.4,-30 83.4,-24.4 82.5,-23.5 82.5,-16.5 81,-15 68,-15 66.5,-16.5 66.5,-30 20,-30 20,-24.5 17.5,-22 17.5,22 20,24.5 20,30 140,30 140,-30
GND_PACK on L2 "GND_PACK" (solid, remove dead copper, pour order 98): 19,-30 19,-25 18,-24 16,-22 16,22 18,24 19,25 19,30 0,30 0,-30
GND_PACK on L3 "GND_PACK" (solid, remove dead copper, pour order 96): 19,-30 19,-25 18,-24 16,-22 16,22 18,24 19,25 19,30 0,30 0,-30

## Keep-outs
Keep-Out Layer:
  lines w0.2: 0,-32.5 ccw(c5,-32.5) 5,-37.5 95,-37.5 ccw(c95,-32.5) 100,-32.5 100,32.5 ccw(c95,32.5) 95,37.5 5,37.5 ccw(c5,32.5) 0,32.5 0,16 ccw(c1,16) 1,15 1.5,15 cw(c1.5,14) 2.5,14 2.5,0 2.5,-14 cw(c1.5,-14) 1.5,-15 1,-15 ccw(c1,-16) 0,-16 0,-32.5
Multi-Layer:
  circle w0.254: c19.8,33.5 r3.8
  circle w0.254: c27,-20 r3.8
  circle w0.254: c79.8,33.1 r3.8
  circle w0.254: c108.9,-20 r3.8

## Other copper
L1:
  region: 32.25,35.85 32.25,-36.15 36.05,-36.15 36.05,35.85
  region net BATT+: 56.95,20.6 56.95,36.6 57.45,37.1 68.45,37.1 68.95,36.6 68.95,21.1 68.45,20.6
  region net B+: 86.8,35.8 87.3,36.3 98.3,36.3 98.8,35.8 98.8,24.8 98.3,24.3 87.3,24.3 86.8,24.8
L2:
  region net LOADOUT: 56.2,-24.3 56.7,-23.8 67.7,-23.8 68.2,-24.3 68.2,-35.8 67.7,-36.3 56.7,-36.3 56.2,-35.8
  region net B+: 86.5,36.1 87,36.6 98,36.6 98.5,36.1 98.5,25.1 98,24.6 87,24.6 86.5,25.1
  region net CHARGEIN: 86.2,-24.8 86.7,-24.3 97.7,-24.3 98.2,-24.8 98.2,-35.8 97.7,-36.3 86.7,-36.3 86.2,-35.8
  text "2" at 1.3,-18.5 h2 r270
L3:
  region net LOADOUT: 56.7,-24.75 57.2,-24.25 68.2,-24.25 68.7,-24.75 68.7,-36.25 68.2,-36.75 57.2,-36.75 56.7,-36.25
  region net B+: 86.7,36.5 87.2,37 98.2,37 98.7,36.5 98.7,25.5 98.2,25 87.2,25 86.7,25.5
  text "3" at 1.3,-20.2 h2 r270
L4:
  region net BATT+: 57.2,20.3 57.2,36.1 57.7,36.6 68.7,36.6 69.2,36.1 69.2,20.734 68.766,20.3
  region net B+: 87.2,36.1 87.7,36.6 98.7,36.6 99.2,36.1 99.2,25.1 98.7,24.6 87.7,24.6 87.2,25.1
  text "4" at 1.3,-23.4 h2 r270
Multi-Layer:
  pour cut-out: 65.5,30 65.5,27 65,26.5 49,26.5 48.5,27 48.5,30
  pour cut-out: 0.8,-28.4 0.8,-35.2 3.8,-35.2 3.8,-28.4

## Silkscreen, mask and mechanical layers (free items; w line width, h text height)
Top Overlay:
  lines w0.2: 4.5,-9 8.5,-9 ; 4.5,-6 8.5,-6 ; 4.5,-3 8.5,-3 ; 4.5,0 8.5,0 ; 4.5,3 8.5,3 ; 4.5,6 8.5,6 ; 4.5,9 8.5,9 ; 6.5,-12 6.5,12 ; 70.175,25.383 70.175,27.883 ; 70.275,34.283 70.275,36.583 ; 73.275,25.383 73.275,36.783 ; 82.075,25.183 82.075,36.583 ; 85.075,25.383 85.075,36.783 ; 58.874,36.783 ccw(c58.874,36.783) 58.874,36.783 ; 58.874,36.783 ccw(c58.865,34.893) 56.975,34.883 56.975,27.283 ccw(c58.865,27.273) 58.874,25.383 68.775,25.383 96.475,25.383 ccw(c96.485,27.273) 98.375,27.283 98.375,34.883 ccw(c96.485,34.893) 96.475,36.783 58.874,36.783 ; 4.5,-12 4.5,12 8.5,12 8.5,-12 4.5,-12
  text "PACK-" at 16.8,33.5 h2
  text "PACK+" at 87.775,26.383 h2
  text "Power" at 60.4,23.7 h1.52
  text "MAX Fuse:" at 82.1,22.8 h1.5
  text "80A" at 93.2,22.7 h1.3
  text "Display" at 60.1,17 h1.52
  text "CAN" at 70.8,-22.1 h1.52
  text "LOAD+" at 96.1,-23.6 h2
  text "CHARGE+" at 124.4,-24 h2
  text "USB" at 62.7,-24.3 h1.52
  text "1" at 70.1,-24.9 h1
  text "COMMON-" at 16.1,-35.8 h2
Bottom Overlay:
  text "SD Card" at 62,-6.9 h1.5
  text "SERIAL" at 77,-12 h1.5
  text "1" at 77.9,-14.5 h1
  text "1" at 77.9,-24.9 h1
  text "CAN" at 82.8,-25.2 h1.5
Top Solder:
  text "V1.0" at 0.7,25.8 h2.8 r270
  text "Hardware:" at 3.9,24.2 h1 r270
  text "GND" at 5,11.5 h0.8 r270
  text "T1" at 7,11 h0.8 r270
  text "C11" at 5,8.3 h0.8 r270
  text "T0" at 7,8 h0.8 r270
  text "C10" at 7,5.4 h0.8 r270
  text "C9" at 5,5.1 h0.8 r270
  text "C7" at 5,2.1 h0.8 r270
  text "C8" at 7,2.1 h0.8 r270
  text "C5" at 5,-0.9 h0.8 r270
  text "C6" at 7,-0.9 h0.8 r270
  text "C3" at 5,-3.9 h0.8 r270
  text "C4" at 7,-3.9 h0.8 r270
  text "C1" at 5,-6.8 h0.8 r270
  text "C2" at 7,-6.8 h0.8 r270
  text "C0-" at 5,-9.5 h0.8 r270
  text "C0+" at 7,-9.5 h0.8 r270
Drill Drawing:
  circle w0.254: c7.584,66.592 r0.508
  circle w0.254: c7.584,66.592 r0.847
  lines w0.254: 6.737,50.929 7.161,50.929 7.584,50.506 8.007,50.929 8.431,50.929 8.007,51.352 8.431,51.776 8.007,51.776 7.584,52.199 7.161,51.776 6.737,51.776 7.161,51.352 6.737,50.929 ; 6.737,56.009 8.431,56.009 7.584,54.316 6.737,56.009 ; 6.737,58.126 6.737,58.549 7.161,58.972 6.737,59.396 6.737,59.819 7.161,59.819 7.584,59.396 8.007,59.819 8.431,59.819 8.431,59.396 8.007,58.972 8.431,58.549 8.431,58.126 8.007,58.126 7.584,58.549 7.161,58.126 6.737,58.126 ; 6.737,62.359 7.161,62.359 7.584,61.936 8.007,62.359 8.431,62.359 8.007,62.782 8.431,63.206 8.007,63.206 7.584,63.629 7.161,63.206 6.737,63.206 7.161,62.782 6.737,62.359 ; 6.737,69.556 8.431,69.556 8.431,71.249 6.737,71.249 6.737,69.556 ; 7.076,51.098 7.33,51.098 7.584,50.844 7.838,51.098 8.092,51.098 7.838,51.352 8.092,51.606 7.838,51.606 7.584,51.86 7.33,51.606 7.076,51.606 7.33,51.352 7.076,51.098 ; 7.076,55.67 8.092,55.67 7.584,54.654 7.076,55.67
  lines w0.381: 5.219,49.363 305.718,49.363 ; 5.219,72.223 305.718,72.223 ; 19.211,45.553 19.211,76.033 ; 34.193,45.553 34.193,76.033 ; 63.648,45.553 63.648,76.033 ; 76.498,45.553 76.498,76.033 ; 95.136,45.553 95.136,76.033 ; 125.353,45.553 125.353,76.033 ; 140.336,45.553 140.336,76.033 ; 159.279,45.553 159.279,76.033 ; 215.142,45.553 215.142,76.033 ; 236.827,45.553 236.827,76.033 ; 270.701,45.553 270.701,76.033 ; 5.219,45.553 305.718,45.553 305.718,76.033 5.219,76.033 5.219,45.553
  text "Symbol" at 7.505,73.366 h1.83
  text "Count" at 20.354,73.366 h1.83
  text "Hole Size" at 35.336,73.366 h1.83
  text "Plated" at 64.791,73.366 h1.83
  text "Hole Type" at 77.641,73.366 h1.83
  text "Drill Layer Pair" at 96.279,73.366 h1.83
  text "Via/Pad" at 126.496,73.366 h1.83
  text "Pad Shape" at 141.479,73.366 h1.83
  text "Template" at 160.422,73.366 h1.83
  text "Description" at 216.285,73.366 h1.83
  text "Hole Tolerance (+)" at 237.97,73.366 h1.83
  text "Hole Tolerance (-)" at 271.844,73.366 h1.83
  text "2" at 20.354,69.556 h1.52
  text "39.37mil (1.000mm)" at 35.336,69.556 h1.52
  text "PTH" at 64.791,69.556 h1.52
  text "Round" at 77.641,69.556 h1.52
  text "L1 - L4" at 96.279,69.556 h1.52
  text "Pad" at 126.496,69.556 h1.52
  text "Rounded" at 141.479,69.556 h1.52
  text "c200h100" at 160.422,69.556 h1.52
  text "4" at 20.354,65.746 h1.52
  text "19.69mil (0.500mm)" at 35.336,65.746 h1.52
  text "PTH" at 64.791,65.746 h1.52
  text "Slot" at 77.641,65.746 h1.52
  text "L1 - L4" at 96.279,65.746 h1.52
  text "Pad" at 126.496,65.746 h1.52
  text "Rounded" at 141.479,65.746 h1.52
  text "r200_90h50_145r45m210_100mx210_100p0" at 160.422,65.746 h1.52
  text "4" at 20.354,61.936 h1.52
  text "125.98mil (3.200mm)" at 35.336,61.936 h1.52
  text "PTH" at 64.791,61.936 h1.52
  text "Round" at 77.641,61.936 h1.52
  text "L1 - L4" at 96.279,61.936 h1.52
  text "Pad" at 126.496,61.936 h1.52
  text "Rounded" at 141.479,61.936 h1.52
  text "c700h320" at 160.422,61.936 h1.52
  text "6" at 20.354,58.126 h1.52
  text "208.66mil (5.300mm)" at 35.336,58.126 h1.52
  text "PTH" at 64.791,58.126 h1.52
  text "Round" at 77.641,58.126 h1.52
  text "L1 - L4" at 96.279,58.126 h1.52
  text "Pad" at 126.496,58.126 h1.52
  text "Rounded" at 141.479,58.126 h1.52
  text "(Mixed)" at 160.422,58.126 h1.52
  text "16" at 20.354,54.316 h1.52
  text "16.54mil (0.420mm)" at 35.336,54.316 h1.52
  text "PTH" at 64.791,54.316 h1.52
  text "Round" at 77.641,54.316 h1.52
  text "L1 - L4" at 96.279,54.316 h1.52
  text "Pad" at 126.496,54.316 h1.52
  text "Rectangle" at 141.479,54.316 h1.52
  text "(Mixed)" at 160.422,54.316 h1.52
  text "72" at 20.354,50.506 h1.52
  text "57.09mil (1.450mm)" at 35.336,50.506 h1.52
  text "PTH" at 64.791,50.506 h1.52
  text "Round" at 77.641,50.506 h1.52
  text "L1 - L4" at 96.279,50.506 h1.52
  text "Pad" at 126.496,50.506 h1.52
  text "Rounded" at 141.479,50.506 h1.52
  text "c200h145" at 160.422,50.506 h1.52
  text "104 Total" at 20.354,46.696 h1.52
  text "Slot definitions :" at 7.505,43.013 h1.52
  text "Routed Path Length" at 33.735,43.013 h1.52
  text "= Calculated from tool start centre position to tool end centre position." at 61.743,43.013 h1.52
  text "Hole Length" at 33.735,40.474 h1.52
  text "= Routed Path Length + Tool Size = Slot length as defined in the PCB layout" at 51.332,40.474 h1.52

## Dimensions
95,-37.5 to 95,37.5 on Mechanical 2
100,-32.5 to 0,-32.5 on Mechanical 2

## Text inside footprints (layer, text, board x,y; h text height)
J1: Mechanical 7 "Copper 25um-60um" at 89.7,24.8 h0.8; Mechanical 7 "Sn 15um max." at 90.7,25.5 h0.8
J2: Mechanical 7 "Sn 15um max." at 60.7,25.5 h0.8; Mechanical 7 "Copper 25um-60um" at 59.7,24.8 h0.8
J3: Mechanical 7 "Copper 25um-60um" at 89.7,-37.2 h0.8; Mechanical 7 "Sn 15um max." at 90.7,-36.5 h0.8
J4: Mechanical 7 "Sn 15um max." at 60.7,-36.5 h0.8; Mechanical 7 "Copper 25um-60um" at 59.7,-37.2 h0.8
J5: Mechanical 7 "Copper 25um-60um" at 3.7,24.8 h0.8; Mechanical 7 "Sn 15um max." at 4.7,25.5 h0.8
J6: Mechanical 7 "Copper 25um-60um" at 3.7,-37.2 h0.8; Mechanical 7 "Sn 15um max." at 4.7,-36.5 h0.8